# Altium PCB Edison_arduino_5_0826.PcbDoc (part 5 of 6)
Units mm, origin at the board's own origin, x right, y up, seen from the top; angles counter-clockwise.
Board outline 122.25 x 72.01 mm, 4 copper layers (TOP, GND, PWR_GND, BOTTOM), stack 1.567 mm thick; 365 components, 239 nets, 1187 pads, 660 vias.
Unrouted connection lines stored in the file: 40.
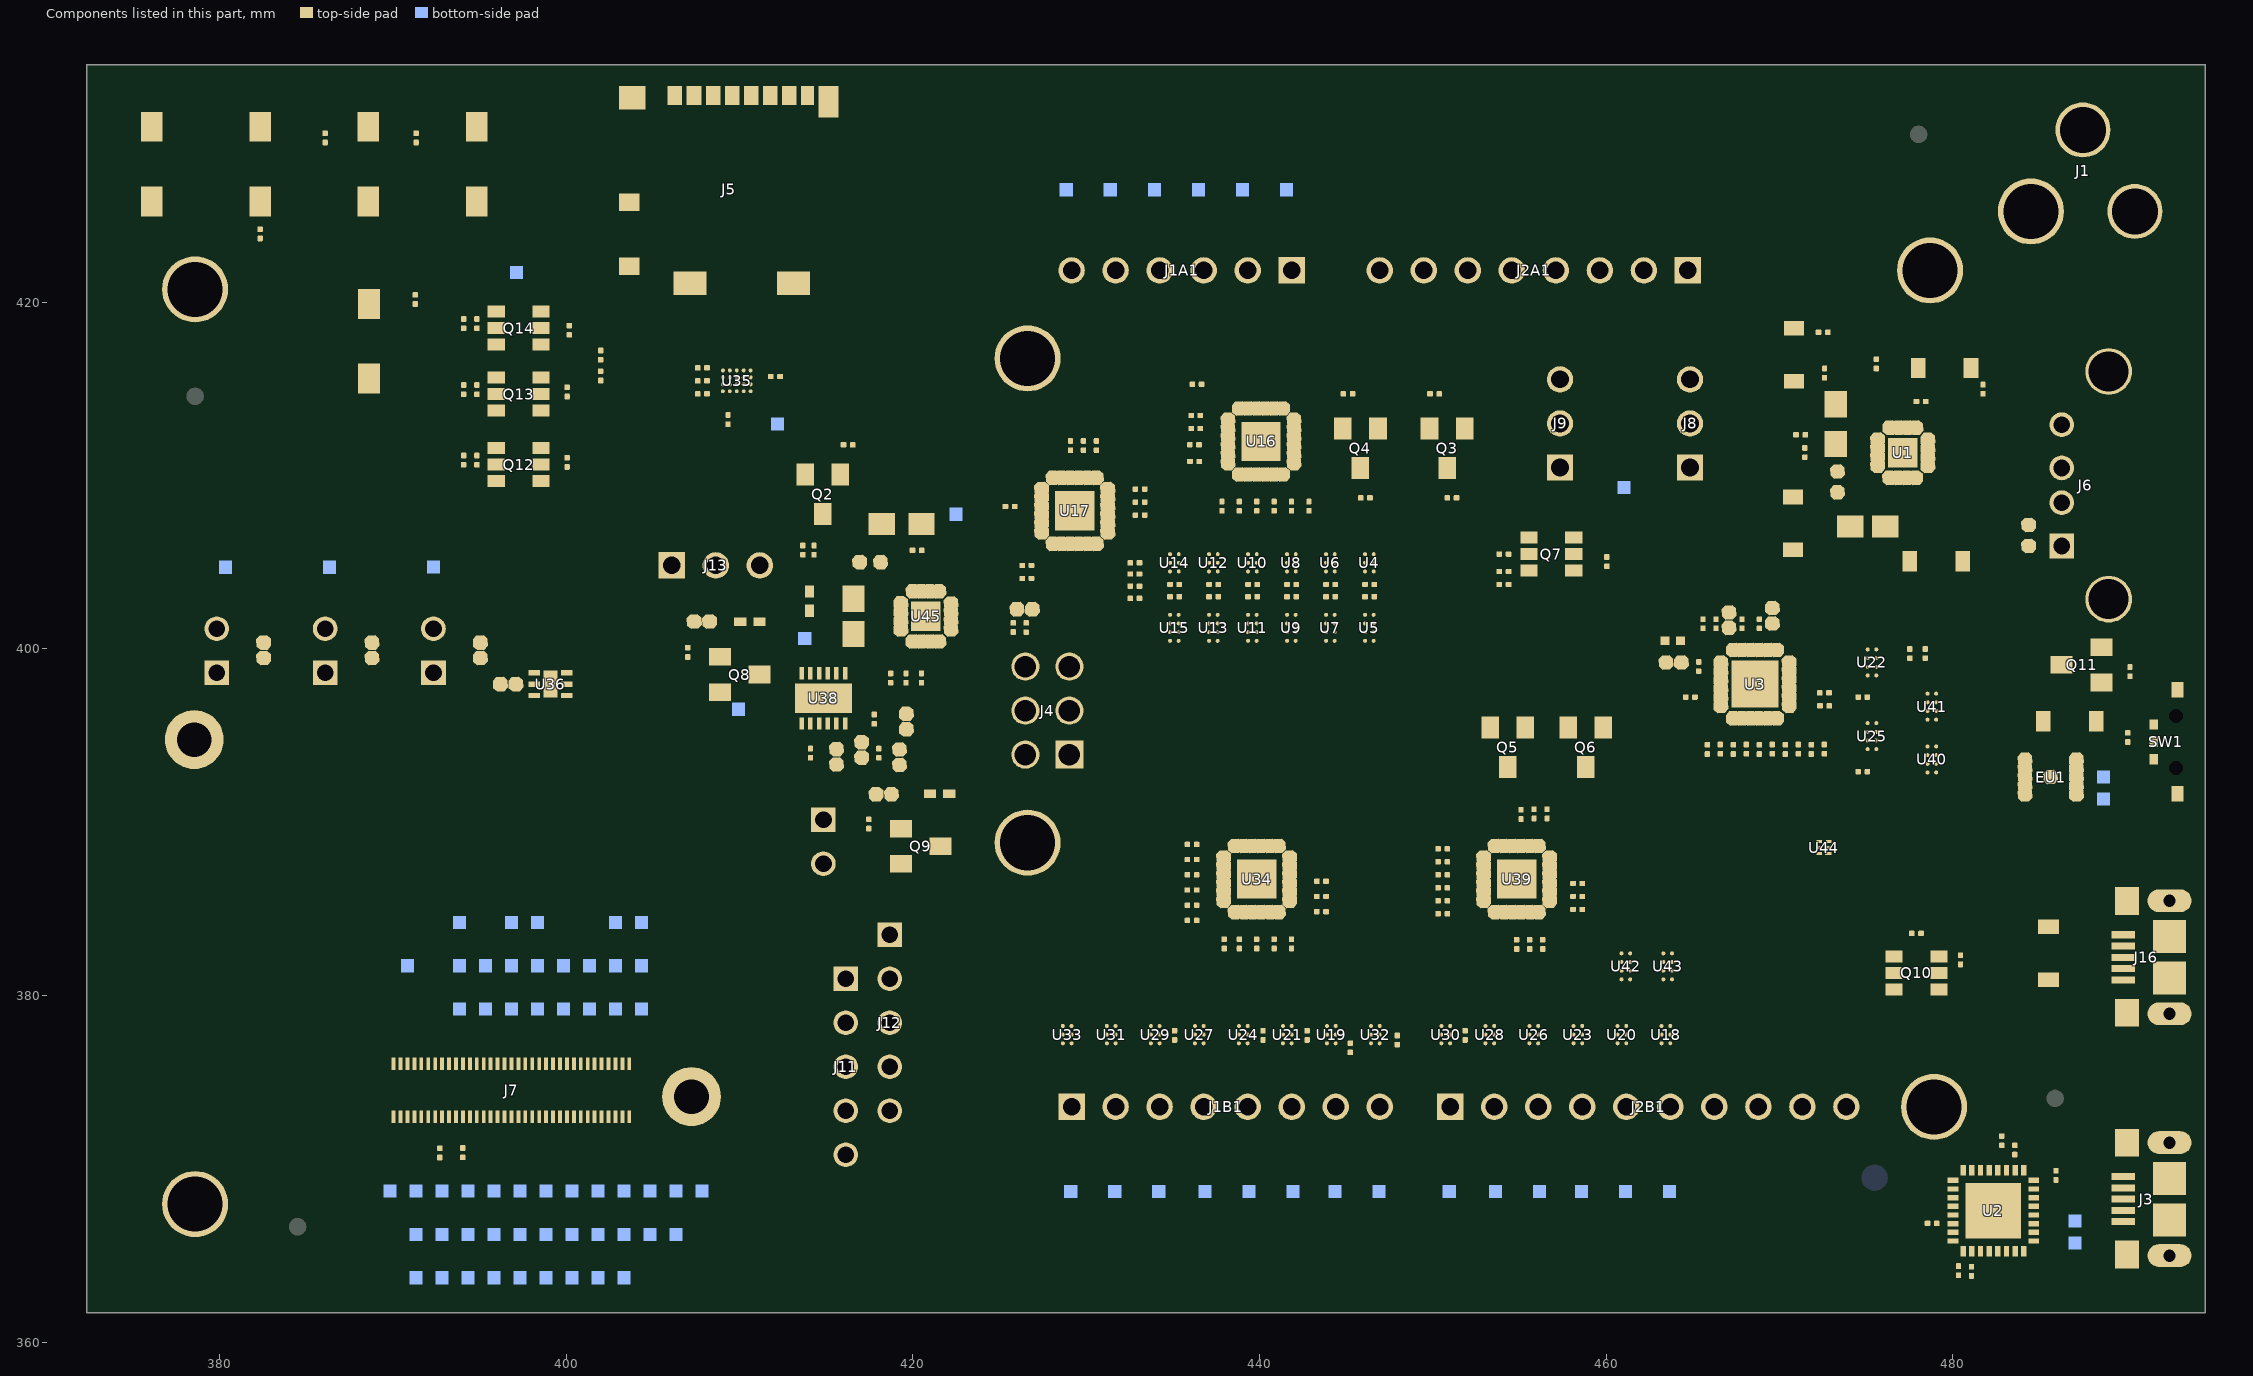
[diagram p7: the components of this part, seen from the top]

## Polygon pours and split planes (outlines as drawn) (continued)
no net on VIA_PLUG_TOP (solid): 512.12,415.747 ccw(c511.912,415.747) 511.912,415.956 ccw(c511.912,415.747) 511.703,415.747 ccw(c511.912,415.747) 511.912,415.539 ccw(c511.912,415.747) 512.12,415.747
no net on VIA_PLUG_TOP (solid): 513.39,415.747 ccw(c513.182,415.747) 513.182,415.956 ccw(c513.182,415.747) 512.973,415.747 ccw(c513.182,415.747) 513.182,415.539 ccw(c513.182,415.747) 513.39,415.747
no net on VIA_PLUG_TOP (solid): 512.755,416.382 ccw(c512.547,416.382) 512.547,416.591 ccw(c512.547,416.382) 512.338,416.382 ccw(c512.547,416.382) 512.547,416.174 ccw(c512.547,416.382) 512.755,416.382
no net on VIA_PLUG_TOP (solid): 513.39,417.017 ccw(c513.182,417.017) 513.182,417.226 ccw(c513.182,417.017) 512.973,417.017 ccw(c513.182,417.017) 513.182,416.809 ccw(c513.182,417.017) 513.39,417.017
no net on VIA_PLUG_TOP (solid): 512.12,417.017 ccw(c511.912,417.017) 511.912,417.226 ccw(c511.912,417.017) 511.703,417.017 ccw(c511.912,417.017) 511.912,416.809 ccw(c511.912,417.017) 512.12,417.017
no net on VIA_PLUG_TOP (solid): 512.12,422.097 ccw(c511.912,422.097) 511.912,422.306 ccw(c511.912,422.097) 511.703,422.097 ccw(c511.912,422.097) 511.912,421.889 ccw(c511.912,422.097) 512.12,422.097
no net on VIA_PLUG_TOP (solid): 513.39,422.097 ccw(c513.182,422.097) 513.182,422.306 ccw(c513.182,422.097) 512.973,422.097 ccw(c513.182,422.097) 513.182,421.889 ccw(c513.182,422.097) 513.39,422.097
no net on VIA_PLUG_TOP (solid): 513.39,423.367 ccw(c513.182,423.367) 513.182,423.576 ccw(c513.182,423.367) 512.973,423.367 ccw(c513.182,423.367) 513.182,423.159 ccw(c513.182,423.367) 513.39,423.367
no net on VIA_PLUG_TOP (solid): 512.755,422.732 ccw(c512.547,422.732) 512.547,422.941 ccw(c512.547,422.732) 512.338,422.732 ccw(c512.547,422.732) 512.547,422.524 ccw(c512.547,422.732) 512.755,422.732
no net on VIA_PLUG_TOP (solid): 512.12,423.367 ccw(c511.912,423.367) 511.912,423.576 ccw(c511.912,423.367) 511.703,423.367 ccw(c511.912,423.367) 511.912,423.159 ccw(c511.912,423.367) 512.12,423.367
no net on VIA_PLUG_TOP (solid): 518.597,388.696 ccw(c518.389,388.696) 518.389,388.905 ccw(c518.389,388.696) 518.18,388.696 ccw(c518.389,388.696) 518.389,388.488 ccw(c518.389,388.696) 518.597,388.696
no net on VIA_PLUG_TOP (solid): 520.756,388.696 ccw(c520.548,388.696) 520.548,388.905 ccw(c520.548,388.696) 520.339,388.696 ccw(c520.548,388.696) 520.548,388.488 ccw(c520.548,388.696) 520.756,388.696
no net on VIA_PLUG_TOP (solid): 520.502,389.712 ccw(c520.294,389.712) 520.294,389.921 ccw(c520.294,389.712) 520.085,389.712 ccw(c520.294,389.712) 520.294,389.504 ccw(c520.294,389.712) 520.502,389.712
no net on VIA_PLUG_TOP (solid): 519.613,389.712 ccw(c519.405,389.712) 519.405,389.921 ccw(c519.405,389.712) 519.196,389.712 ccw(c519.405,389.712) 519.405,389.504 ccw(c519.405,389.712) 519.613,389.712
no net on VIA_PLUG_TOP (solid): 518.597,389.712 ccw(c518.389,389.712) 518.389,389.921 ccw(c518.389,389.712) 518.18,389.712 ccw(c518.389,389.712) 518.389,389.504 ccw(c518.389,389.712) 518.597,389.712
no net on VIA_PLUG_TOP (solid): 518.597,390.982 ccw(c518.389,390.982) 518.389,391.191 ccw(c518.389,390.982) 518.18,390.982 ccw(c518.389,390.982) 518.389,390.774 ccw(c518.389,390.982) 518.597,390.982
no net on VIA_PLUG_TOP (solid): 519.613,390.982 ccw(c519.405,390.982) 519.405,391.191 ccw(c519.405,390.982) 519.196,390.982 ccw(c519.405,390.982) 519.405,390.774 ccw(c519.405,390.982) 519.613,390.982
no net on VIA_PLUG_TOP (solid): 520.502,390.982 ccw(c520.294,390.982) 520.294,391.191 ccw(c520.294,390.982) 520.085,390.982 ccw(c520.294,390.982) 520.294,390.774 ccw(c520.294,390.982) 520.502,390.982
no net on VIA_PLUG_TOP (solid): 520.502,392.252 ccw(c520.294,392.252) 520.294,392.461 ccw(c520.294,392.252) 520.085,392.252 ccw(c520.294,392.252) 520.294,392.044 ccw(c520.294,392.252) 520.502,392.252
no net on VIA_PLUG_TOP (solid): 519.613,392.252 ccw(c519.405,392.252) 519.405,392.461 ccw(c519.405,392.252) 519.196,392.252 ccw(c519.405,392.252) 519.405,392.044 ccw(c519.405,392.252) 519.613,392.252
no net on VIA_PLUG_TOP (solid): 518.597,392.252 ccw(c518.389,392.252) 518.389,392.461 ccw(c518.389,392.252) 518.18,392.252 ccw(c518.389,392.252) 518.389,392.044 ccw(c518.389,392.252) 518.597,392.252
no net on VIA_PLUG_TOP (solid): 520.756,407.492 ccw(c520.548,407.492) 520.548,407.701 ccw(c520.548,407.492) 520.339,407.492 ccw(c520.548,407.492) 520.548,407.284 ccw(c520.548,407.492) 520.756,407.492
no net on VIA_PLUG_TOP (solid): 519.232,407.492 ccw(c519.024,407.492) 519.024,407.701 ccw(c519.024,407.492) 518.815,407.492 ccw(c519.024,407.492) 519.024,407.284 ccw(c519.024,407.492) 519.232,407.492
no net on VIA_PLUG_TOP (solid): 519.994,408.254 ccw(c519.786,408.254) 519.786,408.463 ccw(c519.786,408.254) 519.577,408.254 ccw(c519.786,408.254) 519.786,408.046 ccw(c519.786,408.254) 519.994,408.254
no net on VIA_PLUG_TOP (solid): 520.756,408.762 ccw(c520.548,408.762) 520.548,408.971 ccw(c520.548,408.762) 520.339,408.762 ccw(c520.548,408.762) 520.548,408.554 ccw(c520.548,408.762) 520.756,408.762
no net on VIA_PLUG_TOP (solid): 519.232,409.016 ccw(c519.024,409.016) 519.024,409.225 ccw(c519.024,409.016) 518.815,409.016 ccw(c519.024,409.016) 519.024,408.808 ccw(c519.024,409.016) 519.232,409.016
no net on VIA_PLUG_TOP (solid): 520.756,413.207 ccw(c520.548,413.207) 520.548,413.416 ccw(c520.548,413.207) 520.339,413.207 ccw(c520.548,413.207) 520.548,412.999 ccw(c520.548,413.207) 520.756,413.207
no net on VIA_PLUG_TOP (solid): 519.232,413.207 ccw(c519.024,413.207) 519.024,413.416 ccw(c519.024,413.207) 518.815,413.207 ccw(c519.024,413.207) 519.024,412.999 ccw(c519.024,413.207) 519.232,413.207
no net on VIA_PLUG_TOP (solid): 519.994,413.969 ccw(c519.786,413.969) 519.786,414.178 ccw(c519.786,413.969) 519.577,413.969 ccw(c519.786,413.969) 519.786,413.761 ccw(c519.786,413.969) 519.994,413.969
no net on VIA_PLUG_TOP (solid): 520.629,414.477 ccw(c520.421,414.477) 520.421,414.686 ccw(c520.421,414.477) 520.212,414.477 ccw(c520.421,414.477) 520.421,414.269 ccw(c520.421,414.477) 520.629,414.477
no net on VIA_PLUG_TOP (solid): 519.232,414.731 ccw(c519.024,414.731) 519.024,414.94 ccw(c519.024,414.731) 518.815,414.731 ccw(c519.024,414.731) 519.024,414.523 ccw(c519.024,414.731) 519.232,414.731
no net on VIA_PLUG_TOP (solid): 521.137,420.7 ccw(c520.929,420.7) 520.929,420.909 ccw(c520.929,420.7) 520.72,420.7 ccw(c520.929,420.7) 520.929,420.492 ccw(c520.929,420.7) 521.137,420.7
no net on VIA_PLUG_TOP (solid): 519.613,420.7 ccw(c519.405,420.7) 519.405,420.909 ccw(c519.405,420.7) 519.196,420.7 ccw(c519.405,420.7) 519.405,420.492 ccw(c519.405,420.7) 519.613,420.7
no net on VIA_PLUG_TOP (solid): 520.375,421.462 ccw(c520.167,421.462) 520.167,421.671 ccw(c520.167,421.462) 519.958,421.462 ccw(c520.167,421.462) 520.167,421.254 ccw(c520.167,421.462) 520.375,421.462
no net on VIA_PLUG_TOP (solid): 521.137,422.224 ccw(c520.929,422.224) 520.929,422.433 ccw(c520.929,422.224) 520.72,422.224 ccw(c520.929,422.224) 520.929,422.016 ccw(c520.929,422.224) 521.137,422.224
no net on VIA_PLUG_TOP (solid): 519.613,422.224 ccw(c519.405,422.224) 519.405,422.433 ccw(c519.405,422.224) 519.196,422.224 ccw(c519.405,422.224) 519.405,422.016 ccw(c519.405,422.224) 519.613,422.224
no net on VIA_PLUG_TOP (solid): 521.772,388.696 ccw(c521.564,388.696) 521.564,388.905 ccw(c521.564,388.696) 521.355,388.696 ccw(c521.564,388.696) 521.564,388.488 ccw(c521.564,388.696) 521.772,388.696
no net on VIA_PLUG_TOP (solid): 521.772,389.712 ccw(c521.564,389.712) 521.564,389.921 ccw(c521.564,389.712) 521.355,389.712 ccw(c521.564,389.712) 521.564,389.504 ccw(c521.564,389.712) 521.772,389.712
no net on VIA_PLUG_TOP (solid): 521.772,390.982 ccw(c521.564,390.982) 521.564,391.191 ccw(c521.564,390.982) 521.355,390.982 ccw(c521.564,390.982) 521.564,390.774 ccw(c521.564,390.982) 521.772,390.982
no net on VIA_PLUG_TOP (solid): 521.772,392.252 ccw(c521.564,392.252) 521.564,392.461 ccw(c521.564,392.252) 521.355,392.252 ccw(c521.564,392.252) 521.564,392.044 ccw(c521.564,392.252) 521.772,392.252
no net on VIA_PLUG_TOP (solid): 527.233,407.619 ccw(c527.025,407.619) 527.025,407.828 ccw(c527.025,407.619) 526.816,407.619 ccw(c527.025,407.619) 527.025,407.411 ccw(c527.025,407.619) 527.233,407.619
no net on VIA_PLUG_TOP (solid): 525.963,407.619 ccw(c525.755,407.619) 525.755,407.828 ccw(c525.755,407.619) 525.546,407.619 ccw(c525.755,407.619) 525.755,407.411 ccw(c525.755,407.619) 525.963,407.619
no net on VIA_PLUG_TOP (solid): 525.963,408.889 ccw(c525.755,408.889) 525.755,409.098 ccw(c525.755,408.889) 525.546,408.889 ccw(c525.755,408.889) 525.755,408.681 ccw(c525.755,408.889) 525.963,408.889
no net on VIA_PLUG_TOP (solid): 526.598,408.254 ccw(c526.39,408.254) 526.39,408.463 ccw(c526.39,408.254) 526.181,408.254 ccw(c526.39,408.254) 526.39,408.046 ccw(c526.39,408.254) 526.598,408.254
no net on VIA_PLUG_TOP (solid): 525.963,414.604 ccw(c525.755,414.604) 525.755,414.813 ccw(c525.755,414.604) 525.546,414.604 ccw(c525.755,414.604) 525.755,414.396 ccw(c525.755,414.604) 525.963,414.604
no net on VIA_PLUG_TOP (solid): 526.598,413.969 ccw(c526.39,413.969) 526.39,414.178 ccw(c526.39,413.969) 526.181,413.969 ccw(c526.39,413.969) 526.39,413.761 ccw(c526.39,413.969) 526.598,413.969
no net on VIA_PLUG_TOP (solid): 525.963,413.334 ccw(c525.755,413.334) 525.755,413.543 ccw(c525.755,413.334) 525.546,413.334 ccw(c525.755,413.334) 525.755,413.126 ccw(c525.755,413.334) 525.963,413.334
no net on VIA_PLUG_TOP (solid): 527.233,413.334 ccw(c527.025,413.334) 527.025,413.543 ccw(c527.025,413.334) 526.816,413.334 ccw(c527.025,413.334) 527.025,413.126 ccw(c527.025,413.334) 527.233,413.334
no net on VIA_PLUG_TOP (solid): 530.743,391.871 ccw(c530.454,391.871) 530.454,392.161 ccw(c530.454,391.871) 530.164,391.871 ccw(c530.454,391.871) 530.454,391.582 ccw(c530.454,391.871) 530.743,391.871
no net on VIA_PLUG_TOP (solid): 533.964,416.763 ccw(c533.756,416.763) 533.756,416.972 ccw(c533.756,416.763) 533.547,416.763 ccw(c533.756,416.763) 533.756,416.555 ccw(c533.756,416.763) 533.964,416.763
no net on VIA_PLUG_TOP (solid): 533.964,418.287 ccw(c533.756,418.287) 533.756,418.496 ccw(c533.756,418.287) 533.547,418.287 ccw(c533.756,418.287) 533.756,418.079 ccw(c533.756,418.287) 533.964,418.287
no net on VIA_PLUG_TOP (solid): 533.202,417.525 ccw(c532.994,417.525) 532.994,417.734 ccw(c532.994,417.525) 532.785,417.525 ccw(c532.994,417.525) 532.994,417.317 ccw(c532.994,417.525) 533.202,417.525
no net on VIA_PLUG_TOP (solid): 532.44,416.763 ccw(c532.232,416.763) 532.232,416.972 ccw(c532.232,416.763) 532.023,416.763 ccw(c532.232,416.763) 532.232,416.555 ccw(c532.232,416.763) 532.44,416.763
no net on VIA_PLUG_TOP (solid): 532.44,418.287 ccw(c532.232,418.287) 532.232,418.496 ccw(c532.232,418.287) 532.023,418.287 ccw(c532.232,418.287) 532.232,418.079 ccw(c532.232,418.287) 532.44,418.287
no net on TOOLING_CORNERS " " (solid, shelved): 386.537,366.664 ccw(c384.505,366.664) 384.505,368.696 ccw(c384.505,366.664) 382.473,366.664 ccw(c384.505,366.664) 384.505,364.632 ccw(c384.505,366.664) 386.537,366.664
no net on TOOLING_CORNERS " " (solid, shelved): 477.522,369.495 ccw(c475.49,369.495) 475.49,371.527 ccw(c475.49,369.495) 473.458,369.495 ccw(c475.49,369.495) 475.49,367.463 ccw(c475.49,369.495) 477.522,369.495
no net on TOOLING_CORNERS " " (solid, shelved): 480.062,429.693 ccw(c478.03,429.693) 478.03,431.725 ccw(c478.03,429.693) 475.998,429.693 ccw(c478.03,429.693) 478.03,427.661 ccw(c478.03,429.693) 480.062,429.693
no net on TOOLING_CORNERS " " (solid, shelved): 380.621,414.58 ccw(c378.589,414.58) 378.589,416.612 ccw(c378.589,414.58) 376.557,414.58 ccw(c378.589,414.58) 378.589,412.548 ccw(c378.589,414.58) 380.621,414.58
no net on TOOLING_CORNERS " " (solid, shelved): 487.936,374.067 ccw(c485.904,374.067) 485.904,376.099 ccw(c485.904,374.067) 483.872,374.067 ccw(c485.904,374.067) 485.904,372.035 ccw(c485.904,374.067) 487.936,374.067
no net on TOOLING_CORNERS " " (solid, shelved): 480.062,429.693 ccw(c478.03,429.693) 478.03,431.725 ccw(c478.03,429.693) 475.998,429.693 ccw(c478.03,429.693) 478.03,427.661 ccw(c478.03,429.693) 480.062,429.693
no net on TOOLING_CORNERS " " (solid, shelved): 386.537,366.664 ccw(c384.505,366.664) 384.505,368.696 ccw(c384.505,366.664) 382.473,366.664 ccw(c384.505,366.664) 384.505,364.632 ccw(c384.505,366.664) 386.537,366.664
no net on TOOLING_CORNERS " " (solid, shelved): 380.621,414.58 ccw(c378.589,414.58) 378.589,416.612 ccw(c378.589,414.58) 376.557,414.58 ccw(c378.589,414.58) 378.589,412.548 ccw(c378.589,414.58) 380.621,414.58
no net on TOOLING_CORNERS " " (solid, shelved): 36 vertices, not listed, extent 427.025,362.128 477.19,378.435
no net on TOOLING_CORNERS " " (solid, shelved): 23 vertices, not listed, extent 425.45,388.214 436.321,404.266
no net on TOOLING_CORNERS " " (solid, shelved): 57 vertices, not listed, extent 427.457,415.544 471.729,427.431
no net on TOOLING_CORNERS " " (solid, shelved): 17 vertices, not listed, extent 479.374,370.027 491.033,379.425
no net on TOOLING_CORNERS " " (solid, shelved): 27 vertices, not listed, extent 485.648,410.87 500.939,419.075
no net on TOOLING_CORNERS " " (solid, shelved): 25 vertices, not listed, extent 497.764,362.534 510.972,368.732
no net on TOOLING_CORNERS " " (solid, shelved): 81 vertices, not listed, extent 505.917,364.922 546.1,401.803

## Keep-outs
TOP:
  circle w0.025: c485.904,374.067 r1.524
  circle w0.025: c478.03,429.693 r1.524
  circle w0.025: c384.505,366.664 r1.524
  circle w0.025: c378.589,414.58 r1.524
  circle w0.025: c485.904,374.067 r1.524
  circle w0.025: c478.03,429.693 r1.524
  circle w0.025: c384.505,366.664 r1.524
  circle w0.025: c378.589,414.58 r1.524
BOTTOM:
  circle w0.025: c384.505,366.664 r1.524
  circle w0.025: c475.49,369.495 r1.524
  circle w0.025: c478.03,429.693 r1.524
  circle w0.025: c378.589,414.58 r1.524
  circle w0.025: c384.505,366.664 r1.524
  circle w0.025: c475.49,369.495 r1.524
  circle w0.025: c478.03,429.693 r1.524
  circle w0.025: c378.589,414.58 r1.524
Multi-Layer:
  circle w0.025: c384.505,366.664 r1.524
  circle w0.025: c475.49,369.495 r1.524
  circle w0.025: c478.03,429.693 r1.524
  circle w0.025: c378.589,414.58 r1.524
  circle w0.025: c485.904,374.067 r1.524
  circle w0.025: c478.03,429.693 r1.524
  circle w0.025: c384.505,366.664 r1.524
  circle w0.025: c378.589,414.58 r1.524
  circle w0.025: c475.49,369.495 r1.524
  circle w0.025: c485.904,374.067 r1.524
  circle w0.025: c478.03,429.693 r1.524
  circle w0.025: c384.505,366.664 r1.524
  circle w0.025: c378.589,414.58 r1.524
  region: 491.136,406.486 493.676,406.486 493.676,413.7 491.136,413.7 491.136,406.486 0,0
  region: 373.297,376.928 373.297,362.425 387.374,362.425 387.374,376.928 373.297,376.928 0,0

## Other copper
TOP:
  pour cut-out: 480.756,421.843 480.716,422.247 480.599,422.634 480.408,422.992 480.15,423.305 479.837,423.562 479.48,423.753 479.092,423.871 478.688,423.911 478.285,423.871 477.897,423.753 477.54,423.562 477.226,423.305 476.969,422.992 476.778,422.634 476.661,422.247 476.621,421.843 476.661,421.44 476.778,421.052 476.969,420.695 477.226,420.381 477.54,420.124 477.897,419.933 478.285,419.815 478.688,419.776 479.092,419.815 479.48,419.933 479.837,420.124 480.15,420.381 480.408,420.695 480.599,421.052 480.716,421.44 480.756,421.843
  pour cut-out: 463.924,411.386 465.753,411.386 465.753,409.557 463.924,409.557 463.924,411.386 0,0
  pour cut-out: 465.761,415.551 465.73,415.79 465.638,416.013 465.491,416.204 465.3,416.35 465.077,416.442 464.839,416.474 464.6,416.442 464.377,416.35 464.186,416.204 464.04,416.013 463.948,415.79 463.916,415.551 463.948,415.313 464.04,415.09 464.186,414.899 464.377,414.753 464.6,414.66 464.839,414.629 465.077,414.66 465.3,414.753 465.491,414.899 465.638,415.09 465.73,415.313 465.761,415.551
  pour cut-out: 465.761,413.011 465.73,413.25 465.638,413.473 465.491,413.664 465.3,413.81 465.077,413.902 464.839,413.934 464.6,413.902 464.377,413.81 464.186,413.664 464.04,413.473 463.948,413.25 463.916,413.011 463.948,412.773 464.04,412.55 464.186,412.359 464.377,412.213 464.6,412.12 464.839,412.089 465.077,412.12 465.3,412.213 465.491,412.359 465.638,412.55 465.73,412.773 465.761,413.011
  pour cut-out: 463.101,421.843 463.069,422.082 462.977,422.304 462.831,422.495 462.64,422.642 462.417,422.734 462.178,422.766 461.94,422.734 461.717,422.642 461.526,422.495 461.379,422.304 461.287,422.082 461.256,421.843 461.287,421.604 461.379,421.382 461.526,421.191 461.717,421.044 461.94,420.952 462.178,420.921 462.417,420.952 462.64,421.044 462.831,421.191 462.977,421.382 463.069,421.604 463.101,421.843
  pour cut-out: 460.561,421.843 460.529,422.082 460.437,422.304 460.291,422.495 460.1,422.642 459.877,422.734 459.638,422.766 459.4,422.734 459.177,422.642 458.986,422.495 458.839,422.304 458.747,422.082 458.716,421.843 458.747,421.604 458.839,421.382 458.986,421.191 459.177,421.044 459.4,420.952 459.638,420.921 459.877,420.952 460.1,421.044 460.291,421.191 460.437,421.382 460.529,421.604 460.561,421.843
  pour cut-out: 458.021,421.843 457.989,422.082 457.897,422.304 457.751,422.495 457.56,422.642 457.337,422.734 457.098,422.766 456.86,422.734 456.637,422.642 456.446,422.495 456.299,422.304 456.207,422.082 456.176,421.843 456.207,421.604 456.299,421.382 456.446,421.191 456.637,421.044 456.86,420.952 457.098,420.921 457.337,420.952 457.56,421.044 457.751,421.191 457.897,421.382 457.989,421.604 458.021,421.843
  pour cut-out: 456.424,411.386 458.253,411.386 458.253,409.557 456.424,409.557 456.424,411.386 0,0
  pour cut-out: 455.481,421.843 455.449,422.082 455.357,422.304 455.211,422.495 455.02,422.642 454.797,422.734 454.558,422.766 454.32,422.734 454.097,422.642 453.906,422.495 453.759,422.304 453.667,422.082 453.636,421.843 453.667,421.604 453.759,421.382 453.906,421.191 454.097,421.044 454.32,420.952 454.558,420.921 454.797,420.952 455.02,421.044 455.211,421.191 455.357,421.382 455.449,421.604 455.481,421.843
  pour cut-out: 427.466,393.903 427.433,394.156 427.336,394.391 427.181,394.593 426.979,394.747 426.744,394.845 426.491,394.878 426.239,394.845 426.004,394.747 425.802,394.593 425.647,394.391 425.55,394.156 425.517,393.903 425.55,393.651 425.647,393.416 425.802,393.214 426.004,393.059 426.239,392.962 426.491,392.928 426.744,392.962 426.979,393.059 427.181,393.214 427.336,393.416 427.433,393.651 427.466,393.903
  pour cut-out: 486.574,425.248 486.534,425.652 486.417,426.04 486.226,426.397 485.969,426.71 485.655,426.968 485.298,427.159 484.91,427.276 484.507,427.316 484.103,427.276 483.715,427.159 483.358,426.968 483.045,426.71 482.787,426.397 482.596,426.04 482.479,425.652 482.439,425.248 482.479,424.845 482.596,424.457 482.787,424.1 483.045,423.786 483.358,423.529 483.715,423.338 484.103,423.221 484.507,423.181 484.91,423.221 485.298,423.338 485.655,423.529 485.969,423.786 486.226,424.1 486.417,424.457 486.534,424.845 486.574,425.248
  pour cut-out: 385.225,399.495 386.952,399.495 386.952,397.768 385.225,397.768 385.225,399.495 0,0
  pour cut-out: 378.975,399.495 380.702,399.495 380.702,397.768 378.975,397.768 378.975,399.495 0,0
  pour cut-out: 380.71,401.171 380.68,401.397 380.593,401.607 380.455,401.787 380.274,401.926 380.064,402.013 379.839,402.043 379.613,402.013 379.403,401.926 379.223,401.787 379.084,401.607 378.997,401.397 378.967,401.171 378.997,400.946 379.084,400.736 379.223,400.555 379.403,400.417 379.613,400.33 379.839,400.3 380.064,400.33 380.274,400.417 380.455,400.555 380.593,400.736 380.68,400.946 380.71,401.171
  text "1" at 492.609,407.324 h1.02 r90
GND:
  drawing of 445 lines, arcs and shapes, not listed
  text "2" at 492.711,408.899 h1.02 r90
PWR_GND:
  drawing of 397 lines, arcs and shapes, not listed
  text "3" at 492.762,410.652 h1.02 r90
BOTTOM:
  drawing of 61 lines, arcs and shapes, not listed
  text "4" at 492.762,412.201 h1.02 r90
  text "H40482-005" at 437.724,362.867 h1.27

## Silkscreen, mask and mechanical layers (free items; w line width, h text height)
Top Overlay:
  pour cut-out: 373.714,371.245 409.213,371.245 409.213,396.245 373.714,396.245 373.714,371.245 0,0
  lines w0.127: 392.051,411.913 392.94,411.913 394.845,413.818 394.845,414.326 ; 394.083,420.041 394.591,419.533 ; 420.626,416.866 420.626,410.008 424.663,404.139 429.616,404.139 434.95,408.33 437.363,408.33 ; 423.689,397.772 424.489,397.772 424.459,400.135 424.989,400.666 427.012,400.666 427.045,400.699 427.045,401.926 425.056,401.926 424.89,401.76 424.89,400.77 424.985,400.674 ; 430.606,381.432 434.772,381.432 436.22,382.88 437.388,382.88 ; 436.728,383.184 437.388,382.88 ; 436.753,382.651 437.388,382.88 ; 437.515,407.746 437.388,407.873 437.388,408.686 437.617,408.915 438.175,408.915 ; 439.699,408.915 443.128,408.915 443.306,408.737 443.306,407.797 443.128,407.619 ; 444.195,387.147 443.179,387.147 442.951,386.918 442.951,384.658 443.281,384.327 444.068,384.327 444.221,384.48 444.221,387.934 445.11,388.823 445.11,390.398 ; 445.237,377.647 445.719,379.527 ; 448.056,402.996 447.573,403.276 ; 448.107,403.555 447.573,403.276 ; 449.377,401.879 449.377,402.971 449.072,403.276 447.573,403.276 ; 461.239,398.577 461.797,399.136 462.28,399.136 ; 464.388,398.018 464.642,398.018 465.074,398.45 ; 414.466,417.374 414.466,419.94 414.974,420.448 415.584,420.448 422.543,420.448 423.229,419.762 423.229,417.374 422.696,416.841 415,416.841 414.466,417.374 ; 422.656,381.178 422.656,383.54 423.291,384.175 423.647,384.175 429.997,384.175 430.581,383.591 430.581,381.051 430.022,380.492 423.342,380.492 422.656,381.178 ; 432.183,414.707 432.183,418.517 432.564,418.517 435.739,418.517 435.739,413.945 432.437,413.945 432.183,414.707 ; 435.612,411.151 435.612,413.945 437.136,413.945 437.136,411.151 435.612,411.151 ; 442.366,390.83 442.366,394.919 442.646,395.199 445.516,395.199 445.922,394.792 445.922,390.804 445.491,390.373 442.824,390.373 442.366,390.83 ; 448.081,399.009 448.081,401.32 448.564,401.803 451.358,401.803 460.527,401.803 461.061,401.269 461.061,399.136 460.731,398.805 448.285,398.805 448.081,399.009
  lines w0.152: 427.539,424.772 427.539,430.772 430.539,430.772 ; 427.965,370.992 427.965,366.039 444.602,366.039 ; 428.803,367.03 429.158,367.69 ; 429.158,367.741 429.565,367.005 ; 429.184,366.42 429.184,367.614 ; 431.267,367.259 431.673,366.522 ; 431.648,366.649 431.648,367.843 ; 431.673,366.573 432.029,367.233 ; 440.539,430.772 443.539,430.772 443.539,424.772 ; 445.539,427.772 445.539,431.772 450.539,431.772 ; 449.453,423.469 449.453,424.155 452.044,424.155 452.044,423.469 ; 450.85,424.536 450.875,424.51 450.875,424.18 ; 458.539,431.772 466.539,431.772 466.539,427.822 ; 459.08,366.039 475.59,366.039 475.59,370.865
  text "FW" at 381.239,431.772 h1.27
  text "RM" at 374.889,431.722 h1.27
  text "SHLD RST" at 392.139,431.722 h1.27
  text "PWR" at 386.939,431.672 h1.27
  text "POWER" at 451.539,431.272 h1.27
  text "ANALOG IN" at 431.039,430.272 h1.02
  text "RESET" at 458.839,429.472 h1.27 r270
  text "IOREF" at 461.389,429.422 h1.27 r270
  text "AREF" at 463.939,429.322 h1.27 r270
  text "3.3V" at 456.589,428.272 h1.27 r270
  text "GND" at 450.189,428.172 h1.27 r270
  text "VIN" at 446.689,428.072 h1.27 r270
  text "5V" at 454.189,425.972 h1.27 r270
  text "A4" at 431.475,425.906 h1.27 r270
  text "A3" at 434.142,425.906 h1.27 r270
  text "A2" at 436.809,425.906 h1.27 r270
  text "A1" at 439.095,425.906 h1.27 r270
  text "A5" at 428.739,425.872 h1.27 r270
  text "A0" at 441.739,425.872 h1.27 r270
  text "RESET" at 385.789,421.272 h1.27
  text "+" at 412.039,389.272 h1.27 r270
  text "BATT" at 409.789,388.822 h1.27 r270
  text "-" at 412.039,386.772 h1.27
  text "PWM" at 412.039,378.272 h1.27 r270
  text "0" at 428.642,372.897 h1.27 r270
  text "12" at 460.688,371.996 h1.27 r270
  text "GND" at 465.455,371.983 h1.27 r270
  text "13" at 463.118,371.958 h1.27 r270
  text "1" at 431.436,371.754 h1.27 r270
  text "~3" at 436.304,371.742 h1.27 r270
  text "~5" at 441.257,371.742 h1.27 r270
  text "~6" at 444.178,371.742 h1.27 r270
  text "~9" at 453.195,371.742 h1.27 r270
  text "~10" at 455.735,371.754 h1.27 r270
  text "AREF" at 468.181,371.767 h1.27 r270
  text "SDA" at 470.721,371.754 h1.27 r270
  text "~11" at 458.148,371.627 h1.27 r270
  text "SCL" at 473.388,371.627 h1.27 r270
  text "4" at 438.971,370.713 h1.27 r270
  text "2" at 433.891,370.459 h1.27 r270
  text "8" at 450.528,370.459 h1.27 r270
  text "TX" at 431.157,370.408 h1.27 r270
  text "RX" at 428.591,370.332 h1.27 r270
  text "7" at 446.591,370.332 h1.27 r270
  text "DIGITAL(PWM~)" at 445.491,365.574 h1.02
Bottom Overlay:
  lines w0.127: 385.32,375.972 385.447,375.845 390.654,375.845 391.035,376.226 391.035,379.401 392.051,379.401 393.067,380.417 396.877,380.417 397.385,380.925 397.385,382.576 397.258,382.703 397.131,382.83 393.194,382.83 392.178,381.814 392.178,381.052 391.416,380.29 385.32,380.29 385.32,375.972 ; 397.639,381.052 398.02,380.671 405.513,380.671 405.64,380.544 405.64,377.242 405.767,377.115 413.641,377.115 413.768,377.242 413.768,382.703 413.641,382.83 397.893,382.83 397.639,382.576 397.639,381.052
NCLEGEND-1-2:
  circle w0.025: c190.411,507.583 r0.127
  lines w0.025: 178.994,511.152 349.86,511.152 ; 178.994,518.289 349.86,518.289 ; 178.994,525.427 349.86,525.427 ; 201.828,504.015 201.828,518.289 ; 249.86,504.015 249.86,518.289 ; 297.891,504.015 297.891,518.289 ; 330.175,504.015 330.175,518.289 ; 178.994,504.015 178.994,531.927 349.86,531.927 349.86,504.015 178.994,504.015
  text "DRILL CHART: TOP to GND" at 235.217,527.164 h3.17
  text "ALL UNITS ARE IN MILLIMETERS" at 228.867,520.664 h3.17
  text "FIGURE" at 182.791,513.527 h3.17
  text "SIZE" at 220.764,513.527 h3.17
  text "TOLERANCE" at 262.445,513.527 h3.17
  text "PLATED" at 306.413,513.527 h3.17
  text "QTY" at 336.207,513.527 h3.17
  text "0.1016" at 218.224,505.996 h3.17
  text "+0.0254/-0.1016" at 254.825,505.996 h3.17
  text "PLATED" at 306.413,505.996 h3.17
  text "11" at 337.477,505.996 h3.17
NCLEGEND-1-4:
  circle w0.025: c189.979,468.442 r0.953
  circle w0.025: c189.979,461.305 r0.635
  circle w0.025: c189.979,454.167 r0.635
  circle w0.025: c189.979,447.03 r0.953
  circle w0.025: c189.979,439.892 r0.508
  circle w0.025: c189.979,425.618 r1
  lines w0.025: 178.562,386.362 349.428,386.362 ; 178.562,393.499 349.428,393.499 ; 178.562,400.637 349.428,400.637 ; 178.562,407.774 349.428,407.774 ; 178.562,414.911 349.428,414.911 ; 178.562,422.049 349.428,422.049 ; 178.562,429.186 349.428,429.186 ; 178.562,436.324 349.428,436.324 ; 178.562,443.461 349.428,443.461 ; 178.562,450.598 349.428,450.598 ; 178.562,457.736 349.428,457.736 ; 178.562,464.873 349.428,464.873 ; 178.562,472.011 349.428,472.011 ; 178.562,479.148 349.428,479.148 ; 178.562,486.285 349.428,486.285 ; 178.562,493.423 349.428,493.423 ; 189.471,475.579 190.487,475.579 ; 189.979,475.071 189.979,476.087 ; 201.397,379.224 201.397,486.285 ; 249.428,379.224 249.428,486.285 ; 297.459,379.224 297.459,486.285 ; 329.743,379.224 329.743,486.285 ; 178.562,379.224 178.562,499.923 349.428,499.923 349.428,379.224 178.562,379.224 ; 188.389,395.478 191.569,395.478 191.569,398.658 188.389,398.658 188.389,395.478 ; 188.392,402.618 191.567,402.618 191.567,405.793 188.392,405.793 188.392,402.618 ; 188.605,432.755 189.007,431.783 189.979,431.38 190.951,431.783 191.354,432.755 190.951,433.727 189.979,434.13 189.007,433.727 188.605,432.755 ; 188.646,410.009 191.313,410.009 191.313,412.676 188.646,412.676 188.646,410.009 ; 189.344,389.296 190.614,389.296 190.614,390.566 189.344,390.566 189.344,389.296 ; 189.344,417.845 189.979,419.115 190.614,417.845 189.344,417.845 ; 189.37,382.082 ccw(c189.37,382.793) 189.37,383.504 190.589,383.504 ccw(c190.589,382.793) 190.589,382.082 189.37,382.082
  text "DRILL CHART: TOP to BOTTOM" at 230.975,495.16 h3.17
  text "ALL UNITS ARE IN MILLIMETERS" at 228.435,488.66 h3.17
  text "FIGURE" at 182.359,481.523 h3.17
  text "SIZE" at 220.332,481.523 h3.17
  text "TOLERANCE" at 262.014,481.523 h3.17
  text "PLATED" at 305.981,481.523 h3.17
  text "QTY" at 335.775,481.523 h3.17
  text "0.2032" at 217.792,473.992 h3.17
  text "+0.0/-0.2032" at 258.204,473.992 h3.17
  text "PLATED" at 305.981,473.992 h3.17
  text "1" at 338.315,473.992 h3.17
  text "0.254" at 219.062,466.854 h3.17
  text "+0.0/-0.254" at 259.474,466.854 h3.17
  text "PLATED" at 305.981,466.854 h3.17
  text "643" at 335.775,466.854 h3.17
  text "0.3556" at 217.792,459.717 h3.17
  text "+0.1016/-0.2032" at 254.394,459.717 h3.17
  text "PLATED" at 305.981,459.717 h3.17
  text "5" at 338.315,459.717 h3.17
  text "0.9652" at 217.792,452.58 h3.17
  text "+0.0762/-0.0762" at 254.394,452.58 h3.17
  text "PLATED" at 305.981,452.58 h3.17
  text "4" at 338.315,452.58 h3.17
  text "0.9652" at 217.792,445.442 h3.17
  text "+0.0762/-0.0762" at 254.394,445.442 h3.17
  text "PLATED" at 305.981,445.442 h3.17
  text "18" at 337.045,445.442 h3.17
  text "1.016" at 219.062,438.305 h3.17
  text "+0.0/-0.0" at 262.014,438.305 h3.17
  text "PLATED" at 305.981,438.305 h3.17
  text "41" at 337.045,438.305 h3.17
  text "1.2446" at 217.792,431.167 h3.17
  text "+0.0762/-0.0762" at 254.394,431.167 h3.17
  text "PLATED" at 305.981,431.167 h3.17
  text "6" at 338.315,431.167 h3.17
  text "2.0" at 221.602,424.03 h3.17
  text "+0.0762/-0.0762" at 254.394,424.03 h3.17
  text "PLATED" at 305.981,424.03 h3.17
  text "2" at 338.315,424.03 h3.17
  text "2.3114" at 217.792,416.893 h3.17
  text "+0.0762/-0.0762" at 254.394,416.893 h3.17
  text "PLATED" at 305.981,416.893 h3.17
  text "2" at 338.315,416.893 h3.17
  text "2.667" at 219.062,409.755 h3.17
  text "+0.0762/-0.0762" at 254.394,409.755 h3.17
  text "PLATED" at 305.981,409.755 h3.17
  text "2" at 338.315,409.755 h3.17
  text "3.175" at 219.062,402.618 h3.17
  text "+0.127/-0.127" at 256.934,402.618 h3.17
  text "PLATED" at 305.981,402.618 h3.17
  text "1" at 338.315,402.618 h3.17
  text "3.18" at 220.332,395.48 h3.17
  text "+0.08/-0.08" at 259.474,395.48 h3.17
  text "PLATED" at 305.981,395.48 h3.17
  text "6" at 338.315,395.48 h3.17
  text "0.8128" at 217.792,388.343 h3.17
  text "+0.0762/-0.0762" at 254.394,388.343 h3.17
  text "NON-PLATED" at 300.901,388.343 h3.17
  text "2" at 338.315,388.343 h3.17
  text "1.9304x0.7112" at 208.902,381.206 h3.17
  text "+0.0762/-0.0762" at 254.394,381.206 h3.17
  text "PLATED" at 305.981,381.206 h3.17
  text "4" at 338.315,381.206 h3.17
FAB_PANEL:
  drawing of 5600 lines, arcs and shapes, not listed
  text "246.990" at 443.224,292.257 h1.91
  text "3.00 Soldermask opening" at 230.842,288.59 h1.91
  text "5.000" at 333.343,285.63 h1.91
  text "(x4)R3.00" at 582.051,283.488 h1.91
  text "8.000" at 347.724,282.166 h1.91
  text "8.000" at 544.819,282.166 h1.91
  text "1.00 Copper/metal" at 231.367,277.747 h1.91
  text "(NPTH X4) DIA 3.050 +/-0.050" at 584.217,269.342 h2.39
  text "5.000" at 316.4,266.878 h1.91 r90
  text "Fiducial Detail" at 198.136,249.681 h2.39
  text "Scale 4X" at 198.136,245.72 h1.91
  text "3 PLCS/Side" at 198.136,241.974 h1.27
  text "TYP 5.54" at 239.437,216.996 h1.91
  text "TYP 2.54" at 214.485,202.996 h1.91
  text "169.187" at 306.432,194.098 h1.91
  text "Break-out Tab Detail" at 198.136,179.1 h2.39
  text "Scale 4X" at 198.136,174.189 h1.91
  text "20 PLCS" at 198.136,170.251 h1.27
  text "1) NPTH locational tolerance = +/-0.05mm from datum" at 156.666,124.062 h2.39
  text "2) Copper feature to NPTH hole tolerance = +/- 0.10mm." at 156.666,119.395 h2.39
  text "3) Panel outline tolerance = +/- 0.15mm." at 156.666,116.034 h2.39
  text "4) Primary side of PCB is shown." at 156.666,109.883 h2.39
  text "5) PCB fabricator may add dummy copper on the breakaway, but not" at 156.666,104.751 h2.39
  text "on the break-out tabs." at 156.666,99.992 h2.39
  text "6) Copper keep out area." at 156.666,95.485 h2.39
  text "Top Side View" at 422.31,93.957 h4.78
  text "7) Unit: mm [inch]." at 156.666,90.978 h2.39
  text "PANELIZATION DETAIL" at 174.526,77.81 h4.78
EDISON_OUTLINE_TOP_051214:
  drawing of 1600 lines, arcs and shapes, not listed
EDISON_OUTLINE_BOT_051214:
  drawing of 3409 lines, arcs and shapes, not listed
FAB_SHT1:
  lines w0.025: 682.511,276.809 947.801,277.216 ; 683.781,270.332 949.071,270.739 ; 684.238,287.706 801.751,287.706 ; 684.289,262.204 949.579,262.611 ; 684.543,367.843 872.503,367.843 ; 684.797,372.923 872.757,372.923 ; 685.051,380.543 873.011,380.543 ; 685.051,385.623 873.011,385.623 ; 685.051,390.703 873.011,390.703 ; 685.051,395.783 873.011,395.783 ; 685.432,299.288 950.722,299.695 ; 758.139,144.018 905.652,143.83 ; 758.205,189.22 905.652,189.22 ; 777.204,163.515 905.601,163.515 ; 777.24,137.77 777.255,137.785 777.255,203.19 ; 777.255,150.739 905.652,150.739 ; 777.255,169.662 905.652,169.662 ; 777.255,176.139 905.652,176.139 ; 777.255,182.87 905.652,182.87 ; 777.281,157.47 905.652,157.47 ; 807.644,137.77 807.735,137.861 807.735,203.19 ; 845.82,137.795 845.835,137.81 845.835,203.19 ; 883.869,137.77 883.935,137.836 883.935,203.19 ; 674.218,229.006 674.218,237.896 ; 674.218,229.006 683.108,229.006 ; 674.218,229.006 674.218,237.896 ; 674.218,229.006 683.108,229.006 ; 674.218,237.896 683.108,237.896 ; 674.218,237.896 683.108,237.896 ; 683.108,229.006 683.108,237.896 ; 683.108,229.006 683.108,237.896 ; 170.51,466.446 170.51,470.891 175.768,470.891 175.768,466.446 170.51,466.446 ; 170.51,473.456 170.51,477.901 175.768,477.901 175.768,473.456 170.51,473.456 ; 487.693,281.642 487.693,290.532 496.583,290.532 496.583,281.642 487.693,281.642 ; 510.537,98.75 510.537,107.64 519.427,107.64 519.427,98.75 510.537,98.75 ; 513.486,478.561 513.486,484.022 520.09,484.022 520.09,478.561 513.486,478.561 ; 673.887,294.234 673.887,303.124 682.777,303.124 682.777,294.234 673.887,294.234 ; 674.007,283.901 674.007,292.791 682.897,292.791 682.897,283.901 674.007,283.901 ; 674.032,273.233 674.032,282.123 682.922,282.123 682.922,273.233 674.032,273.233 ; 674.129,430.708 674.129,436.169 680.733,436.169 680.733,430.708 674.129,430.708 ; 674.129,438.074 674.129,443.535 680.733,443.535 680.733,438.074 674.129,438.074 ; 674.261,258.552 674.261,267.442 683.151,267.442 683.151,258.552 674.261,258.552 ; 674.522,245.974 674.522,254.864 683.412,254.864 683.412,245.974 674.522,245.974 ; 749.849,203.85 749.849,209.311 756.453,209.311 756.453,203.85 749.849,203.85 ; 758.18,137.759 758.18,203.164 758.205,203.19 905.652,203.19 905.662,203.18 905.662,137.744 905.515,137.744 905.5,137.759 758.18,137.759
  lines w0.508: 781.456,579.222 781.456,571.678 985.926,571.678 ; 781.456,586.816 985.926,586.816 ; 781.456,593.166 985.926,593.166 ; 781.456,599.516 781.456,584.276 781.456,579.196 985.926,579.196 ; 795.426,571.678 795.426,579.298 ; 795.426,579.196 795.426,586.816 795.426,593.166 ; 856.386,571.678 856.386,579.298 ; 856.386,579.196 856.386,586.816 856.386,593.166 ; 881.786,571.678 881.786,579.298 ; 881.786,579.196 881.786,586.816 881.786,593.166 ; 899.566,571.678 899.566,579.298 ; 899.566,579.196 899.566,586.816 899.566,593.166 ; 924.966,571.678 924.966,579.298 ; 924.966,579.196 924.966,586.816 924.966,593.166 ; 942.746,571.678 942.746,579.298 ; 942.746,579.196 942.746,586.816 942.746,593.166 ; 968.146,571.678 968.146,579.298 ; 968.146,579.196 968.146,586.816 968.146,593.166
  text "REVISIONS" at 876.706,595.071 h2.39
  text "REV" at 785.266,588.721 h2.39
  text "DESCRIPTION" at 815.111,588.721 h2.39
  text "DFT" at 867.181,588.721 h2.39
  text "DATE" at 887.501,588.721 h2.39
  text "CHK" at 910.996,588.721 h2.39
  text "DATE" at 930.046,588.721 h2.39
  text "APVD" at 952.271,588.721 h2.39
  text "DATE" at 973.861,588.721 h2.39
  text "08/11/14" at 883.056,581.508 h2.03
  text "INITIAL RELEASE" at 798.322,581.457 h2.39
  text "W.GILLMER" at 858.716,581.212 h2.39
  text "01" at 786.638,581.101 h3.96
  text "NOTES: UNLESS OTHERWISE SPECIFIED:" at 665.721,515.264 h3.17
  text "1. ITEM IDENTIFICATION NUMBER IS PARENT LINE ITEM NUMBER ON" at 677.73,507.05 h3.17
  text "ENGINEERING PARTS LIST." at 689.795,498.592 h3.17
  text "2. THIS DRAWING ALSO EXISTS ON ELECTRONIC MEDIA." at 677.151,490.499 h3.17
  text "3. FABRICATE PER INTEL SPECIFICATION A84501." at 676.689,480.837 h3.17
  text "9" at 515.645,479.73 h3.17
  text "8" at 172.085,474.37 h2.54
  text "4  THE CENTER OF THIS HOLE ESTABLISH DATUM -A-." at 676.161,473.253 h3.17
  text "8" at 172.085,467.36 h2.54
  text "5  DATUM -B- IS ESTABLISHED PERPENDICULAR TO DATUM -A- THROUGH" at 676.161,465.76 h3.17
  text "THE CENTER OF THIS HOLE." at 676.161,460.68 h3.17
  text "6. DIMENSIONING AND TOLERANCING PER ANSI Y14.5M." at 676.11,455.422 h3.17
  text "7. COMPARE SUPPLIED IPC-D-356 NETLIST TO SUPPLIED GERBER DATA" at 676.034,449.758 h3.17
  text "PRIOR TO FABRICATION." at 676.034,444.678 h3.17
  text "8  THESE HOLES MAY BE PLATED SHUT." at 676.161,439.217 h3.17
  text "9  CONTROLLED IMPEDANCE: SEE LAYER STACK AND IMPEDANCE CHART." at 676.491,431.749 h3.17
  text "NOTE: THE IMPEDANCE CHARTS WILL REFLECT ALL POSSIBLE" at 676.161,426.771 h3.17
  text "IMPEDANCE VALUES WHICH MAY BE REQUIRED IN THE DESIGN. NOT" at 676.161,422.199 h3.17
  text "ALL VALUES WILL BE PRESENT ON EACH LAYER." at 676.161,417.754 h3.17
  text "10.SMT LAND PATTERNS THAT HAVE A FINISHED PAD WIDTH RANGING FROM" at 675.856,411.886 h3.17
  text ".012 TO .015 MUST USE THE FOLLOWING TOLERANCE, +.002 -.0005." at 675.856,406.806 h3.17
  text "PB VENDOR TO ADJUST ARTWORK TO COMPENSATE FOR ETCH PROCESS" at 675.856,401.726 h3.17
  text "11.THIS BOARD REQUIRES VIA CAPPING ON THE SECONDARY SIDE. ALL" at 675.856,394.106 h3.17
  text "VIA CAPPING SHALL FILL 50 TO 90% OF THE HOLE. COVERAGE FOR" at 675.856,389.026 h3.17
  text "ALL VIA IN PAD (VIP) DEVICES SHALL BE 100% PER INTEL" at 675.856,383.946 h3.17
  text "SPECIFICATION 454979." at 675.856,378.866 h3.17
  text "12.THESE PADS ARE TO BE COVERED BY SOLDERMASK ON THE PRIMARY AND" at 675.856,371.246 h3.17
  text "SECONDARY SIDES PER THE ARTWORK EXCEPT AS NOTED IN NOTE 16." at 675.856,366.166 h3.17
  text "13.FINISH: ENIG" at 675.602,358.496 h3.17
  text "14.MATERIAL: 370HR OR EQUIVALENT" at 675.602,352.019 h3.17
  text "15.SOLDERMASK COLOR: BLUE. SILKSCREEN COLOR: WHITE" at 675.729,346.685 h3.17
  text "16.ALL PADS MUST NOT BE COVERED BY SOLDERMASK ON THE SECONDARY" at 675.856,340.208 h3.17
  text "SIDE PER THE ARTWORK - SEE FAB SHEETS 2 AND 3 FOR EXCLUSIONS." at 676.034,334.975 h3.17
  text "17.DELIVERY REQUIREMENTS:" at 675.348,326.873 h3.17
  text "A. TWO BARE BOARDS (SOLDER SAMPLE) AND CROSS-SECTION SHALL BE" at 682.638,320.878 h3.17
  text "INCLUDED WITH EACH BOARD LOT." at 691.909,315.925 h3.17
  text "B. A TDR REPORT, ONE PER PANEL SHALL ACCOMPANY THE MATERIAL" at 682.765,309.956 h3.17
  text "SHIPMENT." at 692.163,305.003 h3.17
  text "18 V-GROOVE MAY BE LOCATED IN AN AREA +/- 0.010\" ON EITHER SIDE OF V-GROOVE CENTERLINE." at 674.87,297.363 h3.17
  text "19 V-GROOVE SEPARATION DENOTED BY LINE." at 674.87,285.857 h3.17
  text "24" at 489.268,284.386 h3.17
  text "20 SOLDERMASK MUST NOT EXCEED .001 THICKNESS FROM TOP OF COPPER FEATURE TO TOP OF SOLDERMASK" at 674.916,275.768 h3.17
  text "IN THIS AREA ON TOP SIDE ONLY" at 675.081,268.783 h3.17
  text "21 NO EXPOSED METAL ALLOWED ON TOP SIDE VIA PADS WHERE SHOWN" at 674.916,261.163 h3.17
  text "22 NO SOLDERMASK ALLOWED ON SMT PADS" at 675.178,248.585 h3.17
  text "23 SOLDERMASK MAY ENCROACH ON VIA'S IN ORDER TO CREATE A SOLDERMASK WEB BETWEEN VIA AND PAD." at 675.208,239.522 h3.17
  text "24. THIEVING ALLOWED ON OUTRIGGERS (BREAKAWAY SECTIONS)." at 675.411,231.75 h3.17
  text "25. TOLERANCE OF BOARD OUTLINE IS +/-0.127MM (5MILS)." at 676.123,224.358 h3.17
  text "IMPEDANCE CHART" at 808.99,205.537 h2.03
  text "9" at 752.008,205.019 h3.17
  text "LAYER(S)" at 760.009,198.338 h2.03
  text "FINISHED TRACE" at 779.135,198.338 h2.03
  text "TRACE SPACING" at 814.365,198.338 h2.03
  text "TOLERANCE" at 886.069,198.338 h2.03
  text "REQUIRED IMPEDANCE" at 847.065,198.115 h2.03
  text "(EDGE TO EDGE)" at 813.176,194.582 h2.03
  text "WIDTH (MILS)" at 780.379,194.528 h2.03
  text "1 AND 6" at 760.986,184.414 h2.03
  text "4.4" at 787.898,184.368 h2.03
  text "5.0" at 820.918,184.368 h2.03
  text "90 OHMS" at 858.103,184.368 h2.03
  text "+/- 10%" at 888.888,184.368 h2.03
  text "04/10/2014" at 835.584,116.916 h2.03
  text "JEIRVIN" at 810.768,116.688 h2.03
  text "24" at 512.442,101.518 h3.17
  text "PB, EDISON ARDUINO" at 880.745,94.056 h4.44
  text "01" at 975.741,75.819 h4.78
  text "H40482-005" at 918.87,75.641 h4.78
  text "D" at 859.561,75.006 h6.35
  text "1:1" at 871.626,68.656 h3.17
  text "1" at 961.034,68.428 h3.17
  text "1" at 977.798,68.301 h3.17

## Text inside footprints (layer, text, board x,y; h text height)
C26: CONSTRUCTION "MAX" at 425.344,407.459 h1.6 r90; CONSTRUCTION "WIDTH" at 426.174,407 h1.6 r90; CONSTRUCTION "1" at 424.699,408.221 h1.6 r90; CONSTRUCTION "2" at 425.232,408.221 h1.6 r90
C27: CONSTRUCTION "MAX" at 454.327,390.716 h1.6; CONSTRUCTION "WIDTH" at 453.867,389.886 h1.6; CONSTRUCTION "1" at 454.449,390.721 h1.6; CONSTRUCTION "2" at 454.449,390.188 h1.6
C28: CONSTRUCTION "MAX" at 439.344,402.254 h1.6 r90; CONSTRUCTION "WIDTH" at 440.174,401.795 h1.6 r90; CONSTRUCTION "1" at 438.699,403.016 h1.6 r90; CONSTRUCTION "2" at 439.232,403.016 h1.6 r90
C29: CONSTRUCTION "MAX" at 443.844,402.254 h1.6 r90; CONSTRUCTION "WIDTH" at 444.674,401.795 h1.6 r90; CONSTRUCTION "1" at 443.199,403.016 h1.6 r90; CONSTRUCTION "2" at 443.732,403.016 h1.6 r90
C30: CONSTRUCTION "MAX" at 441.594,402.254 h1.6 r90; CONSTRUCTION "WIDTH" at 442.424,401.795 h1.6 r90; CONSTRUCTION "1" at 440.949,403.016 h1.6 r90; CONSTRUCTION "2" at 441.482,403.016 h1.6 r90
C31: CONSTRUCTION "MAX" at 407.594,413.959 h1.6 r90; CONSTRUCTION "WIDTH" at 408.424,413.5 h1.6 r90; CONSTRUCTION "1" at 406.949,414.721 h1.6 r90; CONSTRUCTION "2" at 407.482,414.721 h1.6 r90
C32: CONSTRUCTION "MAX" at 410.101,412.977 h1.6 r180; CONSTRUCTION "WIDTH" at 410.56,413.807 h1.6 r180; CONSTRUCTION "1" at 408.699,412.971 h1.6 r180; CONSTRUCTION "2" at 408.699,413.505 h1.6 r180
C33: CONSTRUCTION "MAX" at 407.594,414.709 h1.6 r90; CONSTRUCTION "WIDTH" at 408.424,414.25 h1.6 r90; CONSTRUCTION "1" at 406.949,415.471 h1.6 r90; CONSTRUCTION "2" at 407.482,415.471 h1.6 r90
C34: CONSTRUCTION "06-16-10" at 420.202,398.322 h0.79 r90; CONSTRUCTION "REV1" at 417.662,398.322 h0.79 r90; CONSTRUCTION "SMC0201" at 416.265,398.322 h0.79 r90; CONSTRUCTION "2 PLCS" at 420.202,412.927 h0.79 r90; CONSTRUCTION "R13X12_RND" at 418.889,412.841 h0.79 r90; CONSTRUCTION "H. NGUYEN" at 418.936,398.381 h0.79 r90; CONSTRUCTION "0.53" at 428.241,403.58 h0.79 r90; CONSTRUCTION "0.33" at 429.892,397.23 h0.79 r90; CONSTRUCTION "0.63" at 425.066,393.928 h0.79 r90; CONSTRUCTION "2" at 425.536,401.51 h0.64 r90; CONSTRUCTION "1" at 425.536,400.976 h0.64 r90
C36: CONSTRUCTION "WIDTH" at 486.412,407.151 h0.79 r180; CONSTRUCTION "MAX" at 485.435,405.233 h0.79 r180; CONSTRUCTION "REV3" at 483.882,406.706 h0.79 r90; CONSTRUCTION "2" at 484.126,407.466 h0.64 r180; CONSTRUCTION "1" at 484.126,406.262 h0.64 r180
C40: CONSTRUCTION "06-16-10" at 469.668,403.059 h0.79; CONSTRUCTION "REV1" at 469.668,405.599 h0.79; CONSTRUCTION "SMC0201" at 469.668,406.996 h0.79; CONSTRUCTION "2 PLCS" at 484.273,403.059 h0.79; CONSTRUCTION "R13X12_RND" at 484.187,404.372 h0.79; CONSTRUCTION "H. NGUYEN" at 469.726,404.325 h0.79; CONSTRUCTION "0.53" at 474.925,395.02 h0.79; CONSTRUCTION "0.33" at 468.575,393.369 h0.79; CONSTRUCTION "0.63" at 465.273,398.195 h0.79; CONSTRUCTION "2" at 472.601,397.471 h0.64; CONSTRUCTION "1" at 472.068,397.471 h0.64
C41: CONSTRUCTION "06-16-10" at 478.177,397.142 h0.79 r270; CONSTRUCTION "REV1" at 480.717,397.142 h0.79 r270; CONSTRUCTION "SMC0201" at 482.114,397.142 h0.79 r270; CONSTRUCTION "2 PLCS" at 478.177,382.537 h0.79 r270; CONSTRUCTION "R13X12_RND" at 479.49,382.623 h0.79 r270; CONSTRUCTION "H. NGUYEN" at 479.443,397.084 h0.79 r270; CONSTRUCTION "0.53" at 470.138,391.885 h0.79 r270; CONSTRUCTION "0.33" at 468.487,398.235 h0.79 r270; CONSTRUCTION "0.63" at 473.313,401.537 h0.79 r270; CONSTRUCTION "2" at 472.335,393.955 h0.64 r270; CONSTRUCTION "1" at 472.335,394.488 h0.64 r270
C42: CONSTRUCTION "06-16-10" at 476.677,397.142 h0.79 r270; CONSTRUCTION "REV1" at 479.217,397.142 h0.79 r270; CONSTRUCTION "SMC0201" at 480.614,397.142 h0.79 r270; CONSTRUCTION "2 PLCS" at 476.677,382.537 h0.79 r270; CONSTRUCTION "R13X12_RND" at 477.99,382.623 h0.79 r270; CONSTRUCTION "H. NGUYEN" at 477.943,397.084 h0.79 r270; CONSTRUCTION "0.53" at 468.638,391.885 h0.79 r270; CONSTRUCTION "0.33" at 466.987,398.235 h0.79 r270; CONSTRUCTION "0.63" at 471.813,401.537 h0.79 r270; CONSTRUCTION "2" at 470.835,393.955 h0.64 r270; CONSTRUCTION "1" at 470.835,394.488 h0.64 r270
C43: CONSTRUCTION "06-16-10" at 475.177,397.142 h0.79 r270; CONSTRUCTION "REV1" at 477.717,397.142 h0.79 r270; CONSTRUCTION "SMC0201" at 479.114,397.142 h0.79 r270; CONSTRUCTION "2 PLCS" at 475.177,382.537 h0.79 r270; CONSTRUCTION "R13X12_RND" at 476.489,382.623 h0.79 r270; CONSTRUCTION "H. NGUYEN" at 476.443,397.084 h0.79 r270; CONSTRUCTION "0.53" at 467.138,391.885 h0.79 r270; CONSTRUCTION "0.33" at 465.487,398.235 h0.79 r270; CONSTRUCTION "0.63" at 470.313,401.537 h0.79 r270; CONSTRUCTION "2" at 469.335,393.955 h0.64 r270; CONSTRUCTION "1" at 469.335,394.488 h0.64 r270
C44: CONSTRUCTION "06-16-10" at 473.677,397.142 h0.79 r270; CONSTRUCTION "REV1" at 476.217,397.142 h0.79 r270; CONSTRUCTION "SMC0201" at 477.614,397.142 h0.79 r270; CONSTRUCTION "2 PLCS" at 473.677,382.537 h0.79 r270; CONSTRUCTION "R13X12_RND" at 474.989,382.623 h0.79 r270; CONSTRUCTION "H. NGUYEN" at 474.942,397.084 h0.79 r270; CONSTRUCTION "0.53" at 465.638,391.885 h0.79 r270; CONSTRUCTION "0.33" at 463.987,398.235 h0.79 r270; CONSTRUCTION "0.63" at 468.813,401.537 h0.79 r270; CONSTRUCTION "2" at 467.835,393.955 h0.64 r270; CONSTRUCTION "1" at 467.835,394.488 h0.64 r270
C45: CONSTRUCTION "06-16-10" at 472.177,397.142 h0.79 r270; CONSTRUCTION "REV1" at 474.717,397.142 h0.79 r270; CONSTRUCTION "SMC0201" at 476.114,397.142 h0.79 r270; CONSTRUCTION "2 PLCS" at 472.177,382.537 h0.79 r270; CONSTRUCTION "R13X12_RND" at 473.49,382.623 h0.79 r270; CONSTRUCTION "H. NGUYEN" at 473.442,397.084 h0.79 r270; CONSTRUCTION "0.53" at 464.137,391.885 h0.79 r270; CONSTRUCTION "0.33" at 462.486,398.235 h0.79 r270; CONSTRUCTION "0.63" at 467.312,401.537 h0.79 r270; CONSTRUCTION "2" at 466.335,393.955 h0.64 r270; CONSTRUCTION "1" at 466.335,394.488 h0.64 r270
C46: CONSTRUCTION "2" at 466.835,402.11 h0.64 r180; CONSTRUCTION "1" at 466.835,401.221 h0.64 r180
C47: CONSTRUCTION "REV5" at 471.597,414.874 h1.02 r270; CONSTRUCTION "BODY" at 461.945,424.208 h1.02; CONSTRUCTION "02-13-03" at 463.659,428.018 h1.02; CONSTRUCTION "NODFM" at 463.659,429.733 h1.02; CONSTRUCTION "SMC0805" at 463.596,431.447 h1.02; CONSTRUCTION "1.47" at 464.358,422.557 h1.02; CONSTRUCTION "PD" at 474.581,428.018 h1.02; CONSTRUCTION "BODY" at 482.646,420.779 h1.02 r90; CONSTRUCTION "R50X60" at 481.884,404.65 h1.02; CONSTRUCTION "2.29" at 464.294,403.444 h1.02 r90; CONSTRUCTION "2.24" at 484.36,423.065 h1.02 r90; CONSTRUCTION "2" at 472.994,411.826 h0.64; CONSTRUCTION "1" at 472.994,414.112 h0.64
C48: CONSTRUCTION "MAX" at 485.191,369.89 h1.6; CONSTRUCTION "WIDTH" at 484.731,369.06 h1.6; CONSTRUCTION "1" at 485.313,369.895 h1.6; CONSTRUCTION "2" at 485.313,369.362 h1.6
C49: CONSTRUCTION "MAX" at 393.321,419.033 h1.6; CONSTRUCTION "WIDTH" at 392.861,418.202 h1.6; CONSTRUCTION "1" at 393.443,419.038 h1.6; CONSTRUCTION "2" at 393.443,418.505 h1.6
C50: CONSTRUCTION "MAX" at 393.321,415.223 h1.6; CONSTRUCTION "WIDTH" at 392.861,414.392 h1.6; CONSTRUCTION "1" at 393.443,415.228 h1.6; CONSTRUCTION "2" at 393.443,414.695 h1.6
C51: CONSTRUCTION "MAX" at 394.083,411.159 h1.6; CONSTRUCTION "WIDTH" at 393.623,410.328 h1.6; CONSTRUCTION "1" at 394.205,411.164 h1.6; CONSTRUCTION "2" at 394.205,410.631 h1.6
C52: CONSTRUCTION "MAX" at 419.983,404.928 h1.6 r90; CONSTRUCTION "WIDTH" at 420.814,404.469 h1.6 r90; CONSTRUCTION "1" at 419.338,405.69 h1.6 r90; CONSTRUCTION "2" at 419.871,405.69 h1.6 r90
C53: CONSTRUCTION "06-16-10" at 426.087,401.245 h0.79 r270; CONSTRUCTION "REV1" at 428.627,401.245 h0.79 r270; CONSTRUCTION "SMC0201" at 430.024,401.245 h0.79 r270; CONSTRUCTION "2 PLCS" at 426.087,386.64 h0.79 r270; CONSTRUCTION "R13X12_RND" at 427.4,386.726 h0.79 r270; CONSTRUCTION "H. NGUYEN" at 427.353,401.187 h0.79 r270; CONSTRUCTION "0.53" at 418.048,395.988 h0.79 r270; CONSTRUCTION "0.33" at 416.397,402.338 h0.79 r270; CONSTRUCTION "0.63" at 421.223,405.64 h0.79 r270; CONSTRUCTION "2" at 420.245,398.058 h0.64 r270; CONSTRUCTION "1" at 420.245,398.591 h0.64 r270
C54: CONSTRUCTION "WIDTH" at 418.141,402.976 h0.79 r90; CONSTRUCTION "MAX" at 416.223,403.952 h0.79 r90; CONSTRUCTION "REV3" at 416.437,404.246 h0.79; CONSTRUCTION "2" at 418.202,405.008 h0.64 r90; CONSTRUCTION "1" at 416.998,405.008 h0.64 r90